# Altium PCB 23D_ESC_Controller.PcbDoc
Units mil, origin at the board's own origin, x right, y up, seen from the top; angles counter-clockwise.
Board outline 3775.02 x 2950.3 mil, 2 copper layers (Top Layer, Bottom Layer); 95 components, 115 nets, 462 pads, 196 vias.
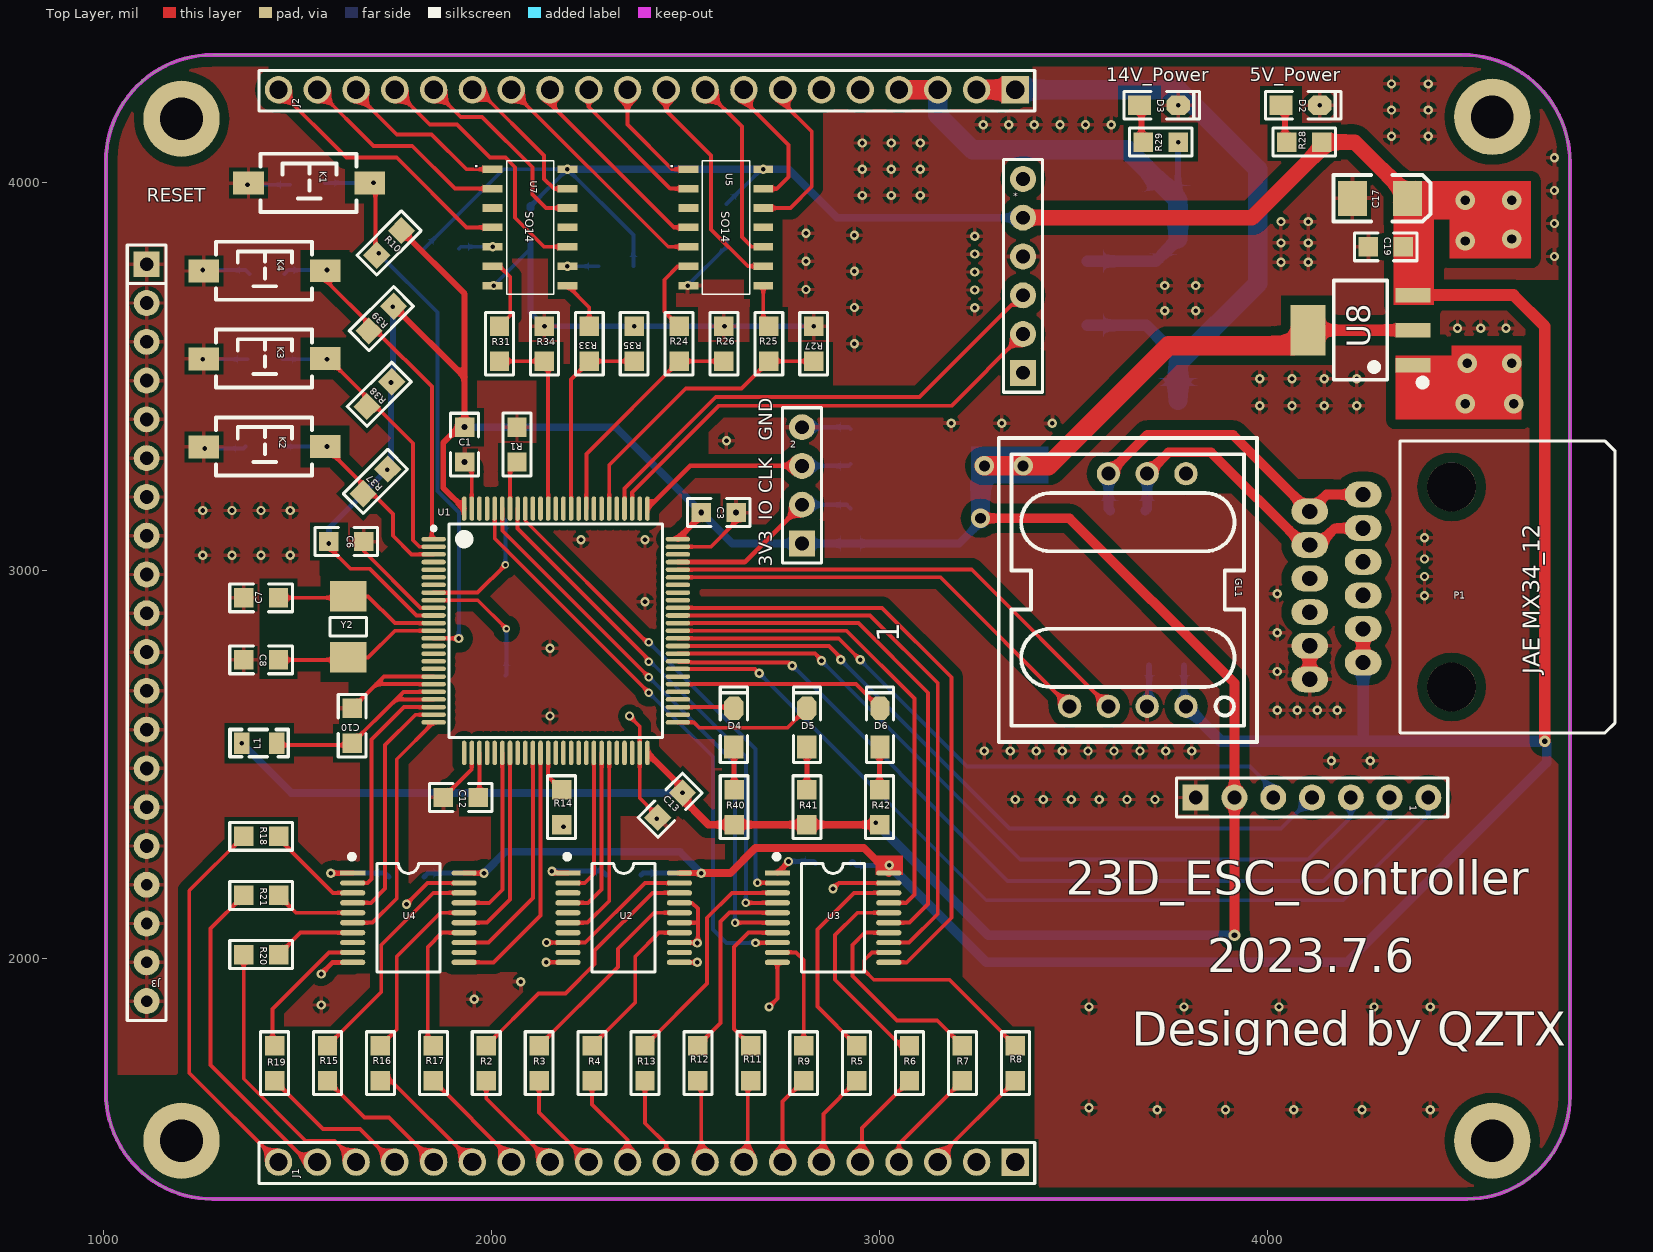
[diagram p0: Top Layer view]
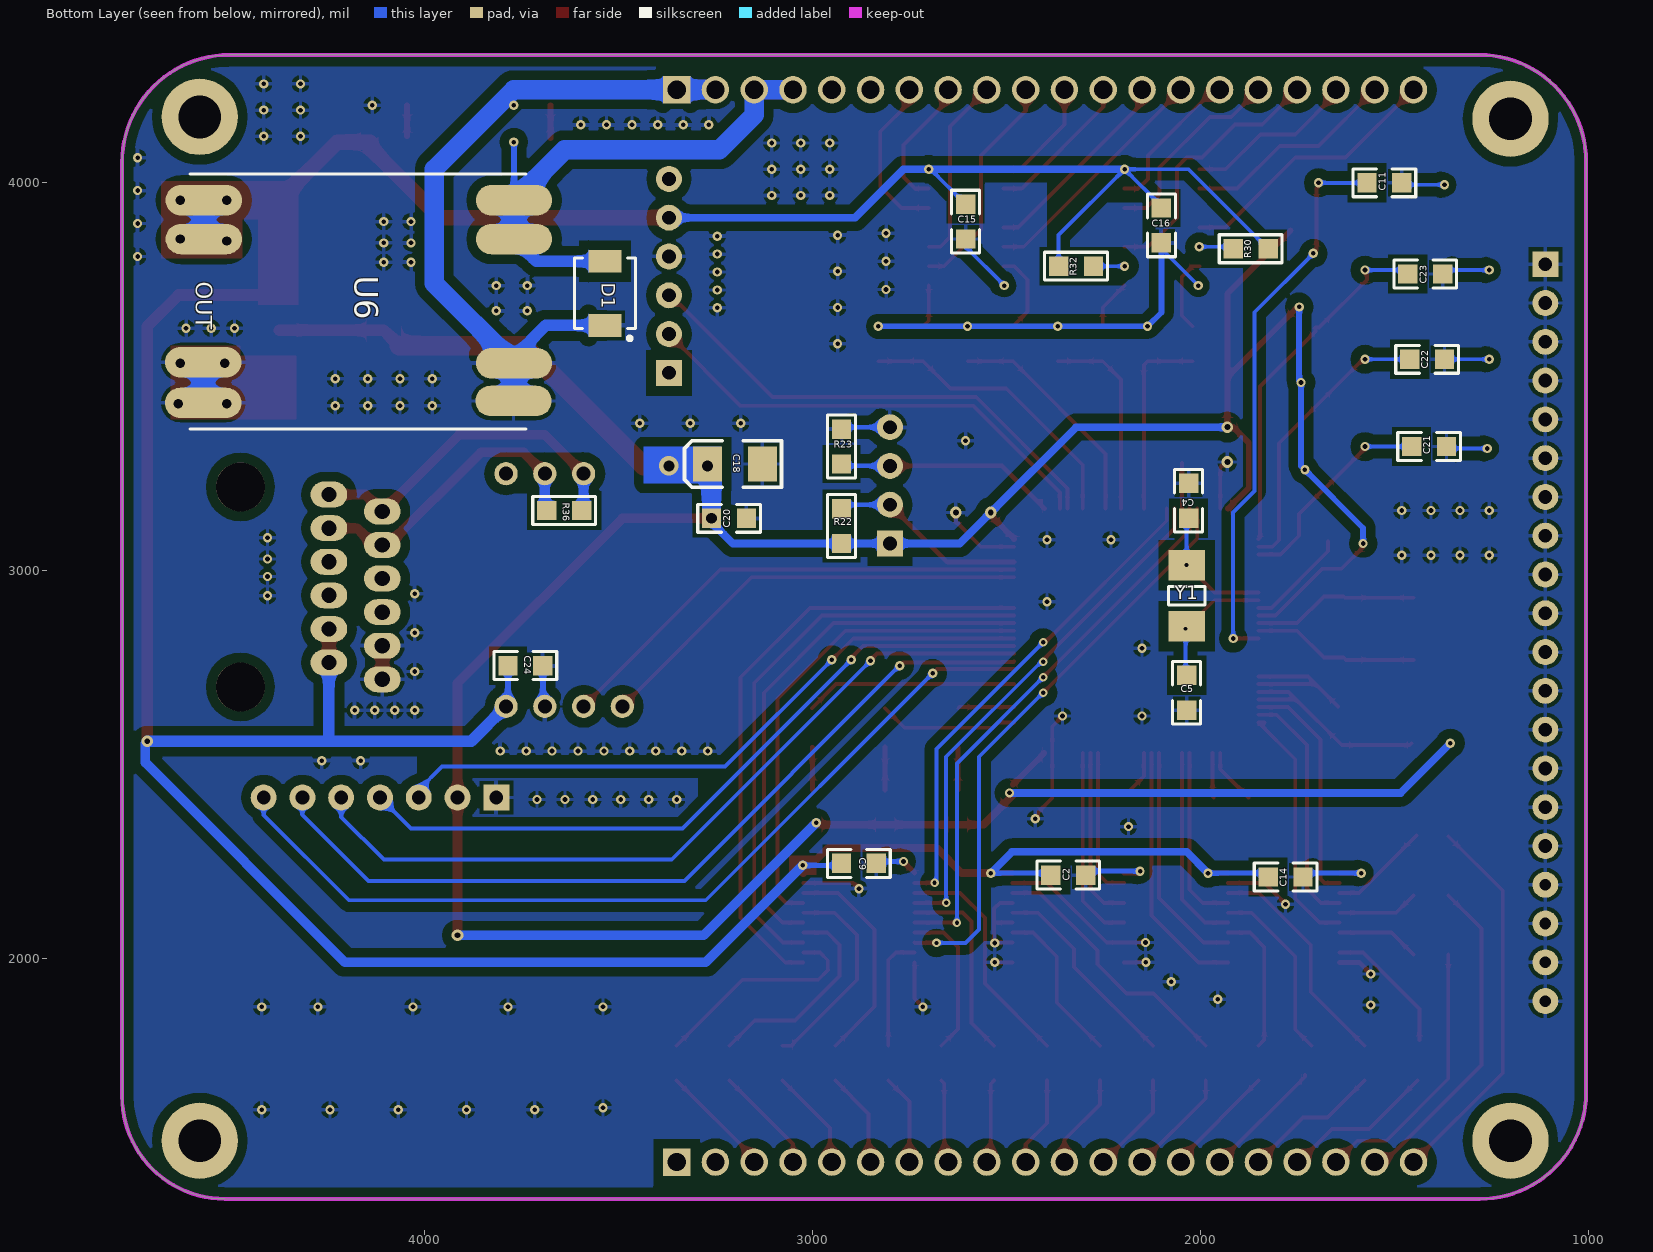
[diagram p1: Bottom Layer view, seen from below]

## Layer stack, top to bottom
Top Solder: solder mask 0.4, Solder Resist, Dk 3.5
Top Layer: signal copper 1.4
Dielectric 1: dielectric 12.6, FR-4, Dk 4.8
Bottom Layer: signal copper 1.4
Bottom Solder: solder mask 0.4, Solder Resist, Dk 3.5

## Board outline
1279.67,1379.7 cw(c1279.67,1654.65) 1005.45,1634.71 1005,1635 1005,4055 cw(c1280,4055) 1280,4330 4502.57,4330 cw(c4502.57,4052.59) 4779.98,4052.59 4780,4052.59 4780,1645.02 4780.02,1645.02 cw(c4515,1645.02) 4515,1380

## Design rules (kind name [scope] priority, off if disabled: settings)
Clearance Inpoly [InPoly] p1: gap=25
Clearance [All] p2: gap=7
HoleSize [All] p1: absolutevalues=TRUE maxlimit=200 minlimit=1 maxpercent=80.000 minpercent=20.000
MinimumSolderMaskSliver [All] p1: minsoldermaskwidth=5
PolygonConnect [All] p1: connectstyle=Relief reliefconductorwidth=10 reliefentries=4 polygonreliefangle="90 Angle" airgapwidth=10
RoutingVias [All] p1: holewidth=12 width=24 viastyle="Through Hole" minholewidth=10 minwidth=20 maxholewidth=28 maxwidth=50
SilkToSilkClearance [All] p1: silktosilkclearance=0
SilkToSolderMaskClearance [IsPad] p1: minsilkscreentomaskgap=2 clearancetoexposedcopper=TRUE
SolderMaskExpansion [All] p1: expansion=4
Width [All] p1: maxlimit=50 minlimit=10 preferedwidth=10
26 further rules are at their usual default settings.

## Components (designator, comment, footprint, x,y, rotation, side; value= is the part's Value field where it differs from the comment)
1 "OLED屏" HDR2.54-M-LI-7P 4115,2415 r0 top
2 "SWD" HDR2.54-LI-4P 2800,3220 r90 top
* "排母1*6" HDR2.54-M-LI-6P 3370,3760 r90 top
C1 "104" "C 0805" 1930,3325 r270 top
C2 "104" "C 0805" 2340,2215 r180 bottom
C3 "104" "C 0805" 2585,3150 r180 top
C4 "104" "C 0805" 2030,3180 r90 bottom
C5 "104" "C 0805" 2035,2685 r270 bottom
C6 "104" "C 0805" 1625,3075 r180 top
C7 "104" "C 0805" 1405,2930 r0 top
C8 "104" "C 0805" 1405,2770 r180 top
C9 "104" "C 0805" 2880,2245 r0 bottom
C10 "104" "C 0805" 1640,2600 r90 top
C11 "104" "C 0805" 1525,4000 r180 bottom
C12 "104" "C 0805" 1920,2415 r180 top
C13 "104" "C 0805" 2460,2395 r225 top
C14 "104" "C 0805" 1780,2210 r180 bottom
C15 "104" "C 0805" 2605,3900 r270 bottom
C16 "104" "C 0805" 2100,3890 r270 bottom
C17 "10uF" "CD B(3528)" 4290,3960 r180 top
C18 "10uF" "CD B(3528)" 3200,3275 r180 bottom
C19 "104" "C 0805" 4305,3835 r180 top
C20 "104" "C 0805" 3215,3135 r180 bottom
C21 "104" "C 0805" 1410,3320 r180 bottom
C22 "104" "C 0805" 1415,3545 r180 bottom
C23 "104" "C 0805" 1420,3765 r180 bottom
C24 "104" "C 0805" 3740,2755 r0 bottom
D1 "P6SMB18" DO-214AA 3535,3715 r270 bottom
D2 "ORANGE" LED_0805 4085,4200 r0 top
D3 "RED" LED_0805 3720,4200 r0 top
D4 "RED" LED_0805 2624,2595 r90 top
D5 "RED" LED_0805 2812.5,2595 r90 top
D6 "RED" LED_0805 3001,2595 r90 top
GL1 "CTM1051KT" COMM-TH_7P-L19.9-W17.5-P2.54 3640,2950 r90 top
J1 "2.54-1*20P直针" HDR-TH_20P-P2.54-V-M-1 2400,1475 r180 top
J2 "2.54-1*20P直针" HDR-TH_20P-P2.54-V-M-1 2400,4240 r180 top
J3 "2.54-1*20P直针" HDR2.54-LI-20P 1110,2840 r270 top
K1 "Key" "KEY 3.6*2.5 SMD" 1530,4000 r0 top
K2 "Key" "KEY 3.6*2.5 SMD" 1415,3320 r0 top
K3 "Key" "KEY 3.6*2.5 SMD" 1415,3546.67 r0 top
K4 "Key" "KEY 3.6*2.5 SMD" 1415,3773.33 r0 top
L1 "100uH" "L 0805" 1400.29,2555 r0 top
P1 "JAE_MX340_12" JAE_MX34_2.2_12 4246.65,2762.99 r180 top
R1 "10k" "R 0805" 2065,3325 r90 top
R2 "300R" "R 0805" 1985.71,1730 r270 top
R3 "300R" "R 0805" 2122.14,1730 r270 top
R4 "300R" "R 0805" 2258.57,1730 r270 top
R5 "300R" "R 0805" 2940.71,1730 r270 top
R6 "300R" "R 0805" 3077.14,1730 r270 top
R7 "300R" "R 0805" 3213.57,1730 r270 top
R8 "300R" "R 0805" 3350,1730 r270 top
R9 "300R" "R 0805" 2804.28,1730 r270 top
R10 "10k" "R 0805" 1735,3845 r225 top
R11 "300R" "R 0805" 2667.86,1730 r270 top
R12 "300R" "R 0805" 2531.43,1730 r270 top
R13 "300R" "R 0805" 2395,1730 r270 top
R14 "10k" "R 0805" 2180,2390 r270 top
R15 "300R" "R 0805" 1576.43,1730 r270 top
R16 "300R" "R 0805" 1712.86,1730 r270 top
R17 "300R" "R 0805" 1849.29,1730 r270 top
R18 "300R" "R 0805" 1405.29,2315 r180 top
R19 "300R" "R 0805" 1440,1730 r270 top
R20 "300R" "R 0805" 1405.29,2010 r180 top
R21 "300R" "R 0805" 1405.29,2162.5 r180 top
R22 "10k" "R 0805" 2925,3115 r270 bottom
R23 "10k" "R 0805" 2925,3320 r270 bottom
R24 "2K" "R 0805" 2482.86,3585 r270 top
R25 "2K" "R 0805" 2714.29,3585 r270 top
R26 "3K" "R 0805" 2598.57,3585 r270 top
R27 "3K" "R 0805" 2830,3585 r90 top
R28 "10k" "R 0805" 4095,4105 r0 top
R29 "10k" "R 0805" 3725,4105 r0 top
R30 "200R" "R 0805" 1870,3830 r180 bottom
R31 "2K" "R 0805" 2020,3585 r270 top
R32 "200R" "R 0805" 2320,3785 r180 bottom
R33 "2K" "R 0805" 2251.43,3585 r90 top
R34 "3K" "R 0805" 2135.71,3585 r270 top
R35 "3K" "R 0805" 2367.14,3585 r90 top
R36 "120R" "R 0805" 3640,3155 r0 bottom
R37 "10K" "R 0805" 1700,3230 r45 top
R38 "10K" "R 0805" 1710,3455 r45 top
R39 "10K" "R 0805" 1715,3650 r45 top
R40 "3.3K" "R 0805" 2625,2390 r270 top
R41 "3.3K" "R 0805" 2812.5,2390 r270 top
R42 "3.3K" "R 0805" 3000,2390 r270 top
U1 "STM32F103VET6" TQFP100N50P14X14X1.2 2165,2845 r0 top
U2 "74HC244" SSOP20 2340,2105 r0 top
U3 "74HC244" SSOP20 2880,2105 r0 top
U4 "74HC244" SSOP20 1785,2105 r0 top
U5 "HC7421D" 74hc74 2731.5,4057.24 r270 top
U6 "DM02-XX" DM02 4170,3695 r180 bottom
U7 "HC7421D" 74hc74 2226.5,4057.24 r270 top
U8 "AMS1117-XX" SOT223 4240,3620 r90 top
Y1 "32.768KHz" XTAL-5032 2035,2935 r90 bottom
Y2 "8MKz" XTAL-5032 1630,2855 r90 top

## Footprints (in the part's own frame and the unit in brackets; to place one, negate y for a bottom-side part, rotate by r counter-clockwise, add the part's x,y. Pads: shape width x height; smd on the part's side, far side on the other; paste and mask are expansions set on the pad)
74hc74 [mm]
  rect 0.5x1.3 smd: 1(0.565,-5.7) 2(1.835,-5.7) 3(3.105,-5.7) 4(4.375,-5.7) 5(5.645,-5.7) 6(6.915,-5.7) 7(8.185,-5.7) 8(8.185,-0.8) 9(6.915,-0.8) 10(5.645,-0.8) 11(4.375,-0.8) 12(3.105,-0.8) 13(1.835,-0.8) 14(0.565,-0.8)
  silkscreen extent 0,-4.78 8.75,-1.7
"C 0805" [mil]
  rect 50x50 smd: 1(-45,0) 2(45,0)
  silkscreen extent -81,-36 81,36, body extent -39,-24 39,24, height 20
"CD B(3528)" [mil]
  rect 75x90 smd: 1(-70.87,-0.01) 2(70.86,-0.01)
  silkscreen extent -130,-60 120,60, body extent -69,-55 69,55, height 75
COMM-TH_7P-L19.9-W17.5-P2.54 [mil]
  round 60 hole 36 mask+2: 1(-300,-150) 2(-300,-50) 3(-300,50) 4(-300,150) 6(300,50) 7(300,-50) 8(300,-150)
  silkscreen extent -392,-333 392,333, body extent -392,-344 392,344, height 341
DM02 [mm]
  oval 5x2 smd: 1(-10.143,6.604) 2(-10.143,4.064) 3(-10.177,-4) 4(-10.177,-6.667) 5(10.143,-6.541) 6(10.177,-4.064) 7(10.177,4.064) 8(10.177,6.604)
  silkscreen extent -11.03,-8.38 10.97,8.32
DO-214AA [mm]
  rect 1.5x2.15 smd: 1(-2.1,0) 2(2.1,0)
  silkscreen extent -2.3,-2 3.07,2, body extent -2.29,-1.97 2.28,1.97, height 2.44
HDR2.54-LI-4P [mm] "排针，4脚"
  rect 1.7x1.7 hole 0.9: 1(-3.81,0)
  round 1.7 hole 0.9: 2(-1.27,0) 3(1.27,0) 4(3.81,0)
  silkscreen extent -5.08,-1.27 5.08,1.27, body extent -5.08,-1.27 5.08,1.27, height 8.5
HDR2.54-LI-20P [mm] "排针，20脚"
  rect 1.7x1.7 hole 0.9: 1(-24.13,0)
  round 1.7 hole 0.9: 2(-21.59,0) 3(-19.05,0) 4(-16.51,0) 5(-13.97,0) 6(-11.43,0) 7(-8.89,0) 8(-6.35,0) 9(-3.81,0) 10(-1.27,0) 11(1.27,0) 12(3.81,0) 13(6.35,0) 14(8.89,0) 15(11.43,0) 16(13.97,0)
  round 1.7 hole 0.762: 17(16.51,0) 18(19.05,0) 19(21.59,0) 20(24.13,0)
  silkscreen extent -25.4,-1.27 25.4,1.27, body extent -25.4,-1.27 25.4,1.27, height 8.5
HDR2.54-M-LI-6P [mm] "排母，6脚"
  rect 1.7x1.7 hole 0.9: 1(-6.35,0)
  round 1.7 hole 0.9: 2(-3.81,0) 3(-1.27,0) 4(1.27,0) 5(3.81,0) 6(6.35,0)
  silkscreen extent -7.62,-1.27 7.62,1.27, body extent -7.62,-1.27 7.62,1.27, height 8.5
HDR2.54-M-LI-7P [mm] "排母，7脚"
  rect 1.7x1.7 hole 0.9: 1(-7.62,0)
  round 1.7 hole 0.9: 2(-5.08,0) 3(-2.54,0) 4(0,0) 5(2.54,0) 6(5.08,0) 7(7.62,0)
  silkscreen extent -8.89,-1.27 8.89,1.27, body extent -8.89,-1.27 8.89,1.27, height 8.5
HDR-TH_20P-P2.54-V-M-1 [mm]
  rect 1.8x1.8 hole 1.2 mask+0.051: 1(-24.13,0)
  round 1.8 hole 1.2 mask+0.051: 2(-21.59,0) 3(-19.05,0) 4(-16.51,0) 5(-13.97,0) 6(-11.43,0) 7(-8.89,0) 8(-6.35,0) 9(-3.81,0) 10(-1.27,0) 11(1.27,0) 12(3.81,0) 13(6.35,0) 14(8.89,0) 15(11.43,0) 16(13.97,0) 17(16.51,0) 18(19.05,0) 19(21.59,0) 20(24.13,0)
  silkscreen extent -25.4,-1.27 25.4,1.4
JAE_MX34_2.2_12 [mm]
  oval 2.4x1.7 hole 1: 1(3.5,-9.9) 2(3.5,-7.7) 3(3.5,-5.5) 4(3.5,-3.3) 5(3.5,-1.1) 6(3.5,1.1) 6(3.5,1.1) 7(0,-11) 8(0,-8.8) 9(0,-6.6) 10(0,-4.4) 11(0,-2.2) 12(0,0) 12(0,0)
  round 3.2 hole 3.2 unplated: 13(-5.8,1.6) 14(-5.8,-11.5)
  silkscreen extent -16.51,-14.5 -2.41,4.6
"KEY 3.6*2.5 SMD" [mm]
  rect 2x1.5 smd: 1(-3.996,-0.02) 2(3.937,0)
  silkscreen extent -3.21,-1.9 3.09,1.9, body extent -4,-1.88 4,1.62, height 2.59
"L 0805" [mil]
  rect 40x55 smd: 1(-45,0) 2(45,0)
  silkscreen extent -75,-35 75,35, body extent -39,-24 39,24, height 35
LED_0805 [mil]
  rect 60x50 smd: 1(-50,0)
  oct 60x50 smd: 2(50,0)
  silkscreen extent -90,-35 105,35, body extent -39,-25 39,25, height 32
"R 0805" [mil]
  rect 50x50 smd: 1(-45,0) 2(45,0)
  silkscreen extent -81,-36 81,36, body extent -39,-25 39,25, height 20
SOT223 [mm]
  rect 0.95x2.3 smd: 1(-2.3,-3.429) 2(0,-3.429) 3(2.3,-3.429)
  rect 3.3x2.3 smd: 2(0,3.429)
  silkscreen extent -3.63,-4.26 3.25,1.75, body extent -3.25,-3.51 3.25,3.51, height 1.65
SSOP20 [mm]
  rect 1.65x0.35 smd: 1(-3.65,2.925)
  oval 1.65x0.35 smd: 2(-3.65,2.275) 3(-3.65,1.625) 4(-3.65,0.975) 5(-3.65,0.325) 6(-3.65,-0.325) 7(-3.65,-0.975) 8(-3.65,-1.625) 9(-3.65,-2.275) 10(-3.65,-2.925) 11(3.65,-2.925) 12(3.65,-2.275) 13(3.65,-1.625) 14(3.65,-0.975) 15(3.65,-0.325) 16(3.65,0.325) 17(3.65,0.975) 18(3.65,1.625) 19(3.65,2.275) 20(3.65,2.925)
  silkscreen extent -3.83,-3.56 2.07,4.13, body extent -3.85,-3.6 3.85,3.6, height 1.65
TQFP100N50P14X14X1.2 [mm]
  oval 1.6x0.3 smd: 1(-8,6) 2(-8,5.5) 3(-8,5) 4(-8,4.5) 5(-8,4) 6(-8,3.5) 7(-8,3) 8(-8,2.5) 9(-8,2) 10(-8,1.5) 11(-8,1) 12(-8,0.5) 13(-8,0) 14(-8,-0.5) 15(-8,-1) 16(-8,-1.5) 17(-8,-2) 18(-8,-2.5) 19(-8,-3) 20(-8,-3.5) 21(-8,-4) 22(-8,-4.5) 23(-8,-5) 24(-8,-5.5) 25(-8,-6) 51(8,-6) 52(8,-5.5) 53(8,-5) 54(8,-4.5) 55(8,-4) 56(8,-3.5) 57(8,-3) 58(8,-2.5) 59(8,-2) 60(8,-1.5) 61(8,-1) 62(8,-0.5) 63(8,0) 64(8,0.5) 65(8,1) 66(8,1.5) 67(8,2) 68(8,2.5) 69(8,3) 70(8,3.5) 71(8,4) 72(8,4.5) 73(8,5) 74(8,5.5) 75(8,6)
  oval 0.3x1.6 smd: 26(-6,-8) 27(-5.5,-8) 28(-5,-8) 29(-4.5,-8) 30(-4,-8) 31(-3.5,-8) 32(-3,-8) 33(-2.5,-8) 34(-2,-8) 35(-1.5,-8) 36(-1,-8) 37(-0.5,-8) 38(0,-8) 39(0.5,-8) 40(1,-8) 41(1.5,-8) 42(2,-8) 43(2.5,-8) 44(3,-8) 45(3.5,-8) 46(4,-8) 47(4.5,-8) 48(5,-8) 49(5.5,-8) 50(6,-8) 76(6,8) 77(5.5,8) 78(5,8) 79(4.5,8) 80(4,8) 81(3.5,8) 82(3,8) 83(2.5,8) 84(2,8) 85(1.5,8) 86(1,8) 87(0.5,8) 88(0,8) 89(-0.5,8) 90(-1,8) 91(-1.5,8) 92(-2,8) 93(-2.5,8) 94(-3,8) 95(-3.5,8) 96(-4,8) 97(-4.5,8) 98(-5,8) 99(-5.5,8) 100(-6,8)
  silkscreen extent -8.12,-7 7,7, body extent -7,-7 7,7, height 1.2
XTAL-5032 [mm]
  rect 2x2.4 smd: 1(-2,0) 2(2,0)
  silkscreen extent -0.6,-1.2 0.6,1.2, body extent -2.6,-1.7 2.6,1.7, height 3.4

## Part data
2: library part 排针1*4
C1 C2 C3 C4 C5 C6 C7 C8 C9 C10 C11 C12 C13 C14 C15 C16 C19 C20 C21 C22 C23 C24: library part Cap, "无极性电容"
C17 C18: library part 贴片钽电容
D1: library part P6SMBXX, "BiDir TVS Diode"
D2 D3 D4 D5 D6: library part LED, "发光二极管"
GL1: library part CTM1051KT_C84516, "兼容3.3V和5V的单片机CAN接口，CAN隔离收发器 5V供电"
J1 J2 J3: "排数:单排;总PIN位数:20;间距:2.54mm;插针结构:1x20P;行距:-;安装类型:直插;圆针/方针:方针;额定电流:3A;额定电压:-;配合针长度:-;塑高:-;端接针长度:-;触头材质:黄铜;触头镀层:-;工作温度范围:-40℃~+105℃;颜色:黑色;"
K1 K2 K3 K4: "按键"
L1: library part Inductor, "电感"
P1: library part JAE_MX34012NF1
R1 R2 R3 R4 R5 R6 R7 R8 R9 R10 R11 R12 R13 R14 R15 R16 R17 R18 R19 R20 R21 R22 R23 R24 R25 R26 R27 R28 R29 R30 R31 R32 R33 R34 R35 R36 R37 R38 R39 R40 R41 R42: library part Resistor, "电阻"
U1: library part STM32F103RBT6
U2 U3 U4: "CMOS工艺8通道缓冲器"
U6: library part DM02, "开关型DC-DC变换器"
U8: library part AMS1117, "线性稳压器"
Y1 Y2: library part XTAL, "晶振"

## Free pads (board coordinates)
  round 196.85 hole 110.24: 5(1200,1530) 5(1200,4165) 5(4580,1530) 5(4580,4170)

## Via types
v1: diameter 24, hole 12, Top Layer to Bottom Layer, 169 vias
v2: diameter 50, hole 24, Top Layer to Bottom Layer, 8 vias
v3: diameter 22, hole 11, Top Layer to Bottom Layer, 8 vias
v4: diameter 30, hole 15, Top Layer to Bottom Layer, 6 vias
v5: diameter 50, hole 28, Top Layer to Bottom Layer, 3 vias
v6: diameter 20, hole 10, Top Layer to Bottom Layer, 2 vias

## Nets (pads, with @x,y where several pads share a name; then routed paths per layer and width w, separated by ;. In a path a pad name is that pad's centre, name@x,y a point inside that pad or via, vN(x,y) a via of type N, cw(c..) or ccw(c..) an arc to the next point about the centre after c; other vN are vias at no path point)
ANL_REF: C10.1 L1.2 U1.21 U1.22 | length 551.3
  Top Layer w10: L1.2@1455,2555 1460,2550 1635,2550 C10.1 1752.83,2667.83 ; U1.22 1752.83,2667.83 ; U1.21 1772.52,2687.52 1752.83,2667.83
CAN_H: GL1.6 P1.1 P1.7 R36.1 | length 894.8
  Top Layer w25: GL1.6 3690,3350 3911.61,3350 P1.1 4152.17,3196.06 P1.7
  Bottom Layer w25: GL1.6 3590,3160 R36.1
CAN_IN_L: GL1.7 P1.2 P1.8 R36.2 | length 793.4
  Top Layer w15: P1.2@4093.86,3066.14 P1.2 P1.2@4131.14,3066.14
  Top Layer w25: GL1.7 3745,3305 3855,3305 P1.2@4093.86,3066.14 ; P1.2@4131.14,3066.14 4174.45,3109.45 P1.8
  Bottom Layer w25: R36.2 3690,3160 GL1.7
CAN_RX: GL1.4 U1.70 | length 1147.9
  Top Layer w10: U1.70 3157.2,2982.8 GL1.4
CAN_TX: GL1.3 U1.71 | length 1256
  Top Layer w10: U1.71 3237.52,3002.48 GL1.3
CS: 1.7 U1.58 | length 2318.3
  Top Layer w10: U1.58 2678.43,2746.57 v1(2690,2735)
  Bottom Layer w10: v1(2690,2735) 3275,2150 4195,2150 4415,2370 1.7
D0: 1.3 U1.62 | length 1726.7
  Top Layer w10: U1.62 2894.68,2825.32 v1(2950,2770)
  Bottom Layer w10: v1(2950,2770) 3225,2495 3955,2495 4015,2435 1.3 1.3@4015,2405
D1: 1.4 U1.61 | length 1866
  Top Layer w10: U1.61 2869.37,2805.63 2900,2775 v1(2900,2770)
  Bottom Layer w10: v1(2900,2770) 3335,2335 4035,2335 1.4
DC: 1.6 U1.59 | length 2185
  Top Layer w10: U1.59 2481.74,2764.48 2512.97,2764.48 2513.87,2763.57 2766.43,2763.57 v1(2775,2755)
  Bottom Layer w10: v1(2775,2755) 3330,2200 4145,2200 4315,2370 1.6
DR1_STA: R24.2 R26.2 U1.84 | length 594.8
  Top Layer w10: U1.84 2243.74,3300.88 R24.2 R26.2
DR2_STA: R25.2 R27.1 U1.81 | length 750.7
  Top Layer w10: U1.81 2302.8,3272.8 2500,3470 2644.29,3470 R25.2 R27.1
DR3_STA: R31.2 R34.2 U1.89 | length 499.7
  Top Layer w10: R31.2 R34.2 2145.32,3530.4 U1.89
DR4_STA: R33.1 R35.1 U1.86 | length 515.2
  Top Layer w10: U1.86 2204.37,3492.94 R33.1 R35.1
GND_D: 1.1 2.4 *.4 C1.2 C2.2 C3.1 C4.2 C5.2 C6.1 C7.1 C8.2 C9.1 C10.2 C11.2 C12.2 C13.2 C14.2 C15.2 C16.2 C17.2 C18.2 C19.2 C20.2 C21.2 C22.2 C23.2 C24.1 D1.2 D2.2 D3.2 GL1.2 J2.1 J2.2 J3.1 J3.2 J3.3 J3.4 J3.5 J3.6 J3.7 J3.8 J3.9 J3.10 J3.11 J3.12 J3.13 J3.14 J3.15 J3.16 J3.17 J3.18 J3.19 J3.20 K1.1 K2.1 K3.1 K4.1 P1.5 P1.6 R1.2 R14.2 R23.1 R26.1 R27.2 R34.1 R35.2 U1.10 U1.19 U1.20 U1.27 U1.49 U1.74 U1.99 U2.1 U2.8 U2.10 U2.11 U2.13 U2.15 U2.17 U2.19 U3.1 U3.10 U3.19 U4.1 U4.10 U4.19 U5.7 U6.3 U6.4 U6.5 U6.6 U7.7 U8.1 | length 7196.3
  Top Layer w10: v1(1585,2220) v1@1585.16,2220.16 ; C10.2@1645,2650 1702.2,2707.2 ; C6.1 1670,3050 1815.94,2904.06 U1.10 ; v1(1780,2140) 1834.57,2194.57 U4.19 ; U1.20 1702.2,2707.2 ; U1.19 1721.89,2726.89 1702.2,2707.2 ; C12.2 1948.46,2488.46 U1.27 ; C1.2@1935,3280 1948.46,3266.54 U1.99 ; v1(2140,1990) 2196.15,1990 U2.10 ; v1(2141.03,2041.03) U2.8 2241.03,2041.03 2394.57,2194.57 U2.19 ; v1(2355,2625) 2381.54,2598.46 U1.49 2381.54,2413.46 2418.18,2376.82 C13.2@2418.18,2358.18 ; U1.74 2565,3061.54 2630,3126.54 v4(2630,3150) ; U2.11 2529.85,1989.85 v1(2530,1990) ; U2.13 2528.97,2041.03 v1(2530,2040) 2531.61,2041.61 2531.61,2090 ; U2.15 2529.4,2092.21 2531.61,2090 ; U2.17 2516.61,2143.39 2531.61,2128.39 2531.61,2090 ; v1(2715,1875) 2736.3,1896.3 U3.10 ; v1(2880,2180) 2894.57,2194.57 U3.19
  Top Layer w13: v1(1560,1960) 1589.85,1989.85 U4.10 ; v1@1585.16,2220.16 U4.1 ; v1(2155,2225.16) 2155,2220.32 2155.16,2220.16 U2.1 ; U3.1 2765,2248.86 v1(2765,2250)
  Top Layer w30: P1.6@4108.86,2719.68 P1.5
  Top Layer w50: J2.2 J2.1
  Bottom Layer w10: v1(1255,3545) C22.2 ; v1(1255,3775) 1365,3775 C23.2 ; v1(1260,3315) 1360,3315 C21.2 ; v1(1370,3995) C11.2@1480,3995 ; v1(2005,3735) C16.2@2100,3830 ; v1(2505,3735) 2605,3835 C15.2 ; R23.1@2920,3370 R23.1
  Bottom Layer w12: 2.4 R23.1@2920,3370
  Bottom Layer w13: v1(1585,2220) 1725,2220 C14.2 ; v1(2155,2225.16) 2275.16,2225.16 2280,2230 C2.2 ; v1(2765,2250) 2830,2250 C9.1
  Bottom Layer w15: C16.2 2100,3830 2100,3665.71 v1(2135.71,3630) v1(2367.14,3630) v1(2600,3630) v1(2830,3630) ; GL1.2@3695,2650 C24.1
  Bottom Layer w30: D1.2 3687.68,3632.32 3769.31,3550.69 U6.6 ; U6.5@3769.31,3438.87 U6.5
  Bottom Layer w50: J2.2 J2.1 3770,4240 3975,4035 3975,3740.69 U6.6 U6.5@3769.31,3438.87 ; U6.4 U6.3
  other v1: 3716,1610 3892,1610 4068,1610 4244,1610 4420,1610 3540,1615 3540,1875 3785,1875 4030,1875 4275,1875 4420,1875 1560,1880 1955,1895 2075,1940 2185,2340 2425,2360 3350,2410 3422,2410 3494,2410 3566,2410 3638,2410 3710,2410 4165,2510 4265,2510 3270,2535 3336.88,2535 3403.75,2535 3470.62,2535 3537.5,2535 3604.38,2535 3671.25,2535 3738.12,2535 3805,2535 2150,2625 4025,2640 4076.67,2640 4128.33,2640 4180,2640 4025,2740 2150,2800 4025,2840 2395,2920 4405,2935 4025,2940 4405,2985 4405,3030 1255,3040 1330,3040 1405,3040 1480,3040 2230,3080 2395,3080 4405,3085 1255,3155 1330,3155 1405,3155 1480,3155 2605,3335 3185,3380 3315,3380 3445,3380 3980,3425 4063.33,3425 4146.67,3425 4230,3425 3980,3495 4063.33,3495 4146.67,3495 4230,3495 2935,3585 4490,3625 4550,3625 4615,3625 3735,3670 3815,3670 2935,3678.33 3245,3677.5 3245,3723.75 2810,3725 3735,3735 3815,3735 3245,3770 2935,3771.67 4035,3795 4105,3795 2810,3797.5 4740,3810 3245,3816.25 4035,3845 4105,3845 3245,3862.5 2935,3865 2810,3870 4740,3895 4035,3900 4105,3900 2955,3967.5 3030,3967.5 3105,3967.5 4740,3980 2955,4035 3030,4035 3105,4035 4740,4065 2955,4102.5 3030,4102.5 3105,4102.5 4320,4120 4415,4120 3267,4150 3333,4150 3399,4150 3465,4150 3531,4150 3597,4150 4320,4187.5 4415,4187.5 3770,4200 4135,4200 4320,4255 4415,4255
  other v2: 4510,3430 4635,3430 4515,3535 4630,3535
  other v4: 1930,3280
KEY1: C21.1 K2.2 R37.1 U1.3 | length 548.3
  Top Layer w10: K2.2 1681.82,3208.18 1683.18,3208.18 1745,3146.36 1745,3090 1793.15,3041.85 U1.3
  Bottom Layer w10: C21.1 v1(1575,3320)
KEY2: C22.1 K3.2 R38.1 U1.2 | length 742.4
  Top Layer w10: K3.2 1578.33,3546.67 1796.54,3328.46 1796.54,3078.46 1813.46,3061.54 U1.2
  Bottom Layer w10: C22.1 v1(1575,3545)
KEY3: C23.1 K4.2 R39.1 U1.1 | length 930.7
  Top Layer w10: K4.2 1570,3750 1693.18,3626.82 R39.1@1703.18,3626.82 ; R39.1@1705,3625 R39.1@1703.18,3626.82 ; U1.1 1845.5,3085.76 1845.5,3474.5 1703.18,3616.82 R39.1@1703.18,3626.82
  Bottom Layer w10: C23.1 1475,3775 v1(1575,3775)
L9349_EN: U1.44 U2.4 | length 453.1
  Top Layer w10: U2.4 2248.39,2143.39 2283.11,2178.11 U1.44
L9349_ENABLE: J1.12 R3.2 | length 263
  Top Layer w10: R3.2 2122.14,1602.86 J1.12
LBI: J1.10 R13.2 | length 232.8
  Top Layer w10: R13.2 2395,1575 2450,1520 J1.10
LBI_PWM: U1.63 U3.17 | length 1262.8
  Top Layer w10: U1.63 2915,2845 3090,2670 3090,2165 3068.39,2143.39 U3.17
LBI_STA: J2.13 U5.4 | length 524.6
  Top Layer w10: J2.13 2150,4205 2470,3885 U5.4
LBO: J1.9 R12.2 | length 217.7
  Top Layer w10: R12.2 2540,1676.43 2540,1485 J1.9
LBO_PWM: U1.64 U3.15 | length 1385.6
  Top Layer w10: U1.64 2945.32,2864.68 3125,2685 3125,2140 3077.21,2092.21 U3.15
LBO_STA: J2.14 U5.5 | length 624.8
  Top Layer w10: J2.14 2455,3835 U5.5
LED1: D4.2 U1.53 | length 145.3
  Top Layer w10: U1.53 2620.85,2648.15 D4.2
LED2: D5.2 U1.51 | length 359
  Top Layer w10: U1.51 2521.22,2608.78 2535,2595 2762.5,2595 D5.2
LED3: D6.2 U1.56 | length 546.8
  Top Layer w10: U1.56 2938.8,2707.2 D6.2
LFI: J1.16 R15.2 | length 360.6
  Top Layer w10: R15.2 1671.43,1590 1735,1590 J1.16
LFI_PWM: U1.23 U4.2 | length 607.5
  Top Layer w10: U4.2 1679.57,2194.57 1690,2205 1690,2565 1773.15,2648.15 U1.23
LFI_STA: J2.11 U5.1 | length 294.7
  Top Layer w10: J2.11 2350,4150 2465,4035 U5.1
LFO: J1.15 R16.2 | length 316.1
  Top Layer w10: R16.2@1730,1700 1730,1695 J1.15
LFO_PWM: U1.24 U4.4 | length 626.4
  Top Layer w10: U4.4 1688.39,2143.39 1725,2180 1725,2550 1803.46,2628.46 U1.24
LFO_STA: J2.12 U5.2 | length 389.1
  Top Layer w10: J2.12 2250,4195 2460,3985 U5.2
LSTB1: J1.5 R6.2 | length 262.7
  Top Layer w10: J1.5 2955,1480 2955,1562.86 R6.2
LSTB1_PWM: U1.93 U3.4 | length 1344.5
  Top Layer w10: U1.93 2066.57,3108.43 2405,2770 v3(2405,2765) ; v3(2655,2143.39) U3.4
  Bottom Layer w10: v3(2405,2765) 2410,2765 2655,2520 v3(2655,2143.39)
LSTB1_STA: J2.16 U7.12 | length 512.3
  Top Layer w10: J2.16 1920,4170 1975,4170 2105,4040 2105,3970 2140,3935 U7.12
LSTB2: J1.3 R8.2 | length 292.8
  Top Layer w10: J1.3 3150,1485 R8.2
LSTB2_PWM: U1.96 U3.8 | length 1499.2
  Top Layer w10: U1.96 2007.52,3082.48 v3(2405,2685) ; v3(2680,2040) 2735.28,2040 U3.8
  Bottom Layer w10: v3(2405,2685) 2570,2520 2570,2075 2605,2040 v3(2680,2040)
LSTB2_STA: J2.17 U7.10 | length 688.9
  Top Layer w10: J2.17 1840,4150 1910,4150 1995,4065 2035,4065 2060,4040 2060,3910 2135,3835 U7.10
LTC: J1.6 R5.2 | length 247.6
  Top Layer w10: J1.6 2855,1480 2855,1599.29 R5.2
LTC_PWM: U1.92 U3.2 | length 1262.8
  Top Layer w10: U1.92 2086.26,3128.73 2399.99,2815 v3(2405,2815) ; v3(2685,2195) 2735.87,2195 U3.2
  Bottom Layer w10: v3(2405,2815) 2680,2540 v3@2680,2197.5
LTC_STA: J2.15 U7.13 | length 385.8
  Top Layer w10: J2.15 1965,4240 2135,4070 2135,4010 2160,3985 U7.13
NetC4_1: C4.1 U1.8 Y1.2 | length 336.7
  Top Layer w10: U1.8 1963.43,2943.43 v6(2035,3015)
  Bottom Layer w10: C4.1 2035,3130 v6(2035,3015)
NetC5_1: C5.1 U1.9 Y1.1 | length 339
  Top Layer w10: U1.9 1963.74,2923.74 v6(2037.48,2850)
  Bottom Layer w10: C5.1 2037.48,2732.48 v6(2037.48,2850)
NetC7_2: C7.2 U1.12 Y2.2 | length 430.2
  Top Layer w10: C7.2 1626.26,2930 Y2.2 1680.94,2933.74 1750,2864.68 U1.12
NetC8_1: C8.1 U1.13 Y2.1 | length 431.1
  Top Layer w10: C8.1 1623.74,2770 Y2.1 1681.26,2776.26 1750,2845 U1.13
NetC12_1: C12.1 U1.28 | length 116.3
  Top Layer w10: C12.1 1968.15,2418.15 U1.28
NetD2_1: D2.1 R28.1 | length 80
  Top Layer w15: R28.1@4045,4120 D2.1@4045,4200
NetD3_1: D3.1 R29.1 | length 85
  Top Layer w15: R29.1@3675,4115 D3.1@3675,4200
NetD4_1: D4.1 R40.1 | length 110.4
  Top Layer w10: D4.1 D4.1@2625,2544
  Top Layer w13: R40.1 D4.1@2625,2544
NetD5_1: D5.1 R41.1 | length 110
  Top Layer w13: R41.1 D5.1
NetD6_1: D6.1 R42.1 | length 110.4
  Top Layer w10: D6.1@3000,2544 D6.1
  Top Layer w13: R42.1 D6.1@3000,2544
NetR1_1: R1.1 U1.94 | length 118.1
  Top Layer w10: U1.94 R1.1@2046.89,3278.11
NetR2_1: R2.1 U2.18 | length 681.7
  Top Layer w10: R2.1 2120.71,1910 2190,1910 2265,1985 2265,2020 2413.98,2168.98 U2.18
NetR3_1: R3.1 U2.16 | length 531.2
  Top Layer w10: R3.1 2325,1977.86 2325,2025 2417.8,2117.8 U2.16
NetR4_1: R4.1 U2.14 | length 415.4
  Top Layer w10: R4.1 2370,1886.43 2370,2005 2431.62,2066.62 U2.14
NetR5_1: R5.1 U3.18 | length 564.3
  Top Layer w10: R5.1 2840,1875.71 2840,2075 2933.98,2168.98 U3.18
NetR6_1: R6.1 U3.16 | length 540.2
  Top Layer w10: U3.16 2942.8,2117.8 2885,2060 2885,1945 3055,1775 R6.1
NetR7_1: R7.1 U3.14 | length 544.9
  Top Layer w10: U3.14 2961.62,2066.62 2930,2035 2930,1955 3045,1840 3148.57,1840 R7.1
NetR8_1: R8.1 U3.12 | length 568.2
  Top Layer w10: U3.12 2980.44,2015.44 2960.44,1995.44 2960.44,1970 2960,1970 2985,1945 3180,1945 R8.1
NetR9_1: R9.1 U3.9 | length 296.9
  Top Layer w10: U3.9 2784.56,2015.44 2804.28,1995.71 R9.1
NetR11_1: R11.1 U3.7 | length 399.2
  Top Layer w10: R11.1 2625,1817.86 2625,2030 2661.62,2066.62 U3.7
NetR12_1: R12.1 U3.5 | length 500.2
  Top Layer w10: R12.1 2590,1833.57 2590,2095 2613,2118 2736.1,2118 U3.5
NetR13_1: R13.1 U3.3 | length 604.1
  Top Layer w10: R13.1 2555,1935 2555,2105 2618.98,2168.98 U3.3
NetR14_1: R14.1 U1.37 | length 109.4
  Top Layer w10: U1.37 2145.32,2469.68 R14.1
NetR15_1: R15.1 U4.18 | length 586.6
  Top Layer w10: R15.1 1715,1913.57 1715,2035 1848.98,2168.98 U4.18
NetR16_1: R16.1 U4.16 | length 467.9
  Top Layer w10: R16.1 1755,1817.14 1755,2005 1867.8,2117.8 U4.16
NetR17_1: R17.1 U4.14 | length 369.8
  Top Layer w10: R17.1 1835,1789.29 1835,2030 1871.62,2066.62 U4.14
NetR18_1: R18.1 U4.3 | length 260.3
  Top Layer w10: R18.1@1442.5,2317.5 1591.02,2168.98 U4.3
NetR19_1: R19.1 U4.9 | length 346.5
  Top Layer w10: R19.1@1435,1790 1435,1870 1580.44,2015.44 U4.9
NetR20_1: R20.1 U4.7 | length 214.5
  Top Layer w10: R20.1 1506.91,2066.62 U4.7
NetR21_1: R21.1 U4.5 | length 209.5
  Top Layer w10: R21.1 1494.99,2117.8 U4.5
NetR24_1: R24.1 U5.6 | length 212.3
  Top Layer w10: R24.1 2445,3667.86 2445,3750 2480,3785 U5.6
NetR25_1: R25.1 U5.8 | length 110.9
  Top Layer w10: U5.8 2700,3644.29 R25.1
NetR30_1: R30.1 U7.5 | length 89.2
  Bottom Layer w10: R30.1 1920,3835 v1(2002.09,3835)
NetR31_1: R31.1 U7.6 | length 195.7
  Top Layer w10: U7.6 2020,3785 2047.5,3757.5 2047.5,3657.5 R31.1
NetR32_2: R32.2 U7.9 | length 80
  Bottom Layer w10: v1(2195,3785) R32.2
NetR33_2: R33.2 U7.8 | length 128.4
  Top Layer w10: U7.8 2251.43,3678.57 R33.2
PUMP: J1.4 R7.2 | length 277.8
  Top Layer w10: J1.4 3050,1521.43 R7.2
PUMP_EN: U1.45 U2.6 | length 511.8
  Top Layer w10: U2.6 2247.21,2092.21 2302.8,2147.8 U1.45
PUMP_ENABLE: J1.11 R4.2 | length 247.9
  Top Layer w10: R4.2 2258.57,1623.86 2350,1532.43 J1.11
PUMP_PWM: U1.95 U3.6 | length 1425.4
  Top Layer w10: U1.95 2027.2,3102.8 v3(2405,2725) ; v3(2627.21,2092.21) U3.6
  Bottom Layer w10: v3(2405,2725) 2627.21,2502.79 v3(2627.21,2092.21)
RBI: J1.8 R11.2 | length 217.4
  Top Layer w10: J1.8 2660,1485 2660,1677.14 R11.2
RBI_PWM: U1.65 U3.13 | length 1494.2
  Top Layer w10: U1.65 2975.63,2884.37 3150,2710 3150,2115 3076.03,2041.03 U3.13
RBI_STA: J2.9 U5.10 | length 484.7
  Top Layer w10: J2.9 2645,4145 2645,3860 2670,3835 U5.10
RBO: J1.7 R9.2 | length 232.5
  Top Layer w10: J1.7 2750,1630.71 R9.2
RBO_PWM: U1.66 U3.11 | length 1608.2
  Top Layer w10: U1.66 3005.94,2904.06 3185,2725 3185,2105 3069.85,1989.85 U3.11
RBO_STA: J2.10 U5.9 | length 582
  Top Layer w10: J2.10 2450,4185 2565,4070 2565,3880 2660,3785 U5.9
RES: 1.5 U1.60 | length 2052.2
  Top Layer w10: U1.60 2480.26,2786.24 2833.76,2786.24 2850,2770 v1(2850,2767.5)
  Bottom Layer w10: v1(2850,2767.5) 3362.5,2255 4105,2255 4215,2365 1.5
RESET: C11.1 K1.2 R10.2 U1.14 | length 1460.4
  Top Layer w10: K1.2 1700,3985 1700,3826.36 v1(1708.18,3818.18) ; U1.14 1914.69,2825.31 v1(1915,2825)
  Bottom Layer w10: C11.1 v1(1695,4000) ; v1(1708.18,3818.18) 1860,3666.36 1860,3205 1915,3150 v1(1915,2825)
RFI: J1.14 R17.2 | length 293.1
  Top Layer w10: R17.2 2050,1484.29 J1.14
RFI_PWM: U1.25 U4.6 | length 649.1
  Top Layer w10: U4.6 1692.21,2092.21 1755,2155 1755,2513.74 U1.25 U1.25@1833.78,2608.78
RFI_STA: J2.8 U5.13 | length 350.1
  Top Layer w10: J2.8 2650,4212.5 2765,4097.5 2765,4015 2735,3985 U5.13
RFO: J1.20 R18.2 | length 993.4
  Top Layer w10: R18.2 1220,2174.71 1220,1705 J1.20
RFO_PWM: U1.31 U4.17 | length 465.3
  Top Layer w10: U4.17 1993.39,2143.39 2027.2,2177.2 U1.31
RFO_STA: J2.7 U5.12 | length 428.8
  Top Layer w10: U5.12 2770,3935 2825,3990 2825,4132.5 2750,4207.5 J2.7
RSTB1: J1.19 R21.2 | length 851.4
  Top Layer w10: R21.2 1275,2077.21 1275,1725 1525,1475 J1.19
RSTB1_PWM: U1.32 U4.15 | length 521.1
  Top Layer w10: U4.15 1987.21,2092.21 2046.89,2151.89 U1.32
RSTB1_STA: J2.19 U7.2 | length 557.7
  Top Layer w10: J2.19 1695,4095 1795,4095 1905,3985 U7.2
RSTB2: J1.18 R20.2 | length 698.9
  Top Layer w10: R20.2 1360.29,1689.71 1520,1530 1595,1530 J1.18
RSTB2_PWM: U1.35 U4.13 | length 598.9
  Top Layer w10: U4.13 1991.03,2041.03 2105.95,2155.95 U1.35
RSTB2_STA: J2.20 U7.4 | length 699.1
  Top Layer w10: J2.20 1625,4065 1755,4065 1935,3885 U7.4
RTC: J1.17 R19.2 | length 397
  Top Layer w10: R19.2 1565,1560 1660,1560 1745,1475 J1.17
RTC_PWM: U1.36 U4.11 | length 666.4
  Top Layer w10: U4.11 2004.85,1989.85 2125.63,2110.63 U1.36
RTC_STA: J2.18 U7.1 | length 442.9
  Top Layer w10: J2.18 1650,4230 1755,4125 1845,4125 1935,4035 U7.1
SWCLK: 2.3 R23.2 U1.76 | length 579.7
  Top Layer w10: 2.3@2780,3270 2.3@2800,3250
  Top Layer w12: U1.76 2421.26,3180 2511.26,3270 2.3@2780,3270
  Bottom Layer w10: R23.2@2920,3270 R23.2
  Bottom Layer w12: 2.3 R23.2@2920,3270
SWDIO: 2.2 R22.1 U1.72 | length 510.4
  Top Layer w12: U1.72 2652.17,3022.17 2.2
  Bottom Layer w10: R22.1@2915,3170 R22.1
  Bottom Layer w12: 2.2 R22.1@2915,3170
USART4_RX: *.3 U1.79 | length 1275.9
  Top Layer w10: U1.79 2342.17,3212.17 2577.5,3447.5 3102.5,3447.5 3340,3685 *.3@3370,3685
USART4_TX: *.2 U1.78 | length 1219.1
  Top Layer w10: U1.78 2361.85,3201.85 2585,3425 3185,3425 *.2
VALVES_EN: U1.43 U2.2 | length 388.6
  Top Layer w10: U2.2 2239.57,2194.57 2263.43,2218.43 U1.43
VALVES_ENABLE: J1.13 R2.2 | length 278
  Top Layer w10: R2.2 1985.71,1639.29 J1.13
VCC_3V3: 1.2 2.1 C1.1 C3.2 C6.2 C13.1 C18.1 C20.1 L1.1 R10.1 R22.2 R37.2 R38.2 R39.2 R40.2 R41.2 R42.2 U1.11 U1.50 U1.75 U1.100 U8.2 | length 9496.7
  Top Layer w10: C6.2 v1(1580,3070) 1580,3060 1635,3005 1685,3005 1805.63,2884.37 U1.11
  Top Layer w15: R39.2 1930,3498.64 ; R10.1 1930,3713.64 1930,3498.64 ; C1.1@1915,3370 1875,3330 1875,3213.02 U1.100@1928.06,3159.96 ; v4(1930,3370) 1930,3498.64 ; U1.50@2401.94,2530.04 2401.94,2529.32 C13.1@2483.13,2448.13 ; U1.75@2479.96,3081.94 2540,3141.98 v4(2540,3150)
  Top Layer w20: C13.1@2481.82,2421.82 2558.64,2345 R40.2 R41.2 R42.2
  Top Layer w25: v5(3260,3135) 3490,3135 3915,2710 1.2 v4(3915,2060)
  Top Layer w30: U8.2@4065,3580 4105,3620 U8.2@4375,3620
  Top Layer w50: v5(3270,3270) v5(3370,3270) 3435,3270 3745,3580 U8.2@4065,3580
  Bottom Layer w15: v1(1580,3070) 1580,3110 v1(1730,3260) 1740,3270 v1(1740,3485) 1745,3490 v1(1745,3680) ; 2.1@2770,3070 2.1@2790,3050 ; 2.1@2790,3070 2800,3060 2.1
  Bottom Layer w20: v1(1355,2555) 1483.18,2426.82 v1(2491.82,2426.82) ; v4(1930,3370) 2320,3370 v4(2540,3150) 2620,3070 2.1@2770,3070 ; 2.1 R22.2 3205,3070 3260,3125 v5(3260,3135)
  Bottom Layer w25: v1(2990,2350) 3280,2060 v4(3915,2060)
  Bottom Layer w50: v5(3260,3135) 3260,3264.12 C18.1
VCC_5V: *.5 C2.1 C9.2 C14.1 C15.1 C16.1 C17.1 C19.1 C24.2 GL1.1 P1.11 P1.12 R28.2 R30.2 R32.1 U2.20 U3.20 U4.20 U5.14 U6.1 U6.2 U7.14 U8.3 | length 10083
  Top Layer w13: U4.20 v1@1979.84,2220.16 ; v1@2539.84,2220.16 v1(2540,2220) ; U3.20 3025,2221.46 v1(3025,2240)
  Top Layer w15: U2.20 v1@2539.84,2220.16 ; R28.2@4140,4090 R28.2
  Top Layer w20: v1@1979.84,2220.16 v1(1980,2220) ; v1(2540,2220) 2615,2220 2680,2285 2958.86,2285 U3.20 ; C17.1 C17.1@4360.87,3969.13
  Top Layer w30: P1.12@4246.65,2762.99 P1.11 ; U8.3 4634.45,3710.55 4715,3630 v4(4715,2560)
  Top Layer w40: *.5 3960,3910 R28.2@4140,4090 ; R28.2 4225,4105 C17.1@4360.87,3969.13
  Bottom Layer w10: R30.2 2030,4035 v1(2195,4035) ; C16.1@2100,3940 v1(2195,4035) ; R32.1 2365,3865 v1(2195,4035) ; C15.1 v1@2695,4035
  Bottom Layer w13: C14.1 1835,2220 v1(1980,2220) ; C2.1 2390,2220 v1(2540,2220) ; C9.2 2930,2250 2940,2240 v1(3025,2240) ; v4(4715,2560) v4@4720,2555
  Bottom Layer w15: GL1.1@3785,2645 C24.2
  Bottom Layer w20: v1(1980,2220) 2035,2275 2485,2275 v1(2540,2220) ; C16.1 C16.1@2100,3940 ; v1(2195,4035) 2695,4035 v1(2700,4035) 2765,4035 2890,3910 *.5
  Bottom Layer w25: v1(3025,2240) 3275,1990 4205,1990 4720,2505 v4@4720,2555
  Bottom Layer w30: GL1.1 3880,2560 4245,2560 ; P1.12@4246.65,2762.99 4246.65,2561.65 4245,2560 ; v4(4715,2560) 4245,2560
  Bottom Layer w50: U6.2 U6.1
  other v2: 4510,3850 4630,3855 4510,3955 4630,3955
VCC_14V: D1.1 J2.3 J2.4 R29.2 U6.7 U6.8 | length 1482.8
  Top Layer w50: J2.4 J2.3
  Bottom Layer w15: U6.8 v1@3769.31,4104.31
  Bottom Layer w30: D1.1 3711.99,3797.68 U6.7
  Bottom Layer w50: J2.4 J2.3 3150,4175 3240,4085 3639.31,4085 U6.8 U6.7
  other v1: 3770,4105
pads on no net: *.1 *.6 GL1.8 J1.1 J1.2 J2.5 J2.6 P1.3 P1.4 P1.9 P1.10 P1.13 P1.14 U1.4 U1.5 U1.6 U1.7 U1.15 U1.16 U1.17 U1.18 U1.26 U1.29 U1.30 U1.33 U1.34 U1.38 U1.39 U1.40 U1.41 U1.42 U1.46 U1.47 U1.48 U1.52 U1.54 U1.55 U1.57 U1.67 U1.68 U1.69 U1.73 U1.77 U1.80 U1.82 U1.83 U1.85 U1.87 U1.88 U1.90 U1.91 U1.97 U1.98 U2.3 U2.5 U2.7 U2.9 U2.12 U4.8 U4.12 U5.3 U5.11 U7.3 U7.11

## Polygon pours and split planes (outlines as drawn)
GND_D on Top Layer "Top Layer-No Net" (solid, remove dead copper, pour order 43): 1279.67,1379.7 cw(c1279.67,1654.65) 1005.45,1634.71 1005,1635 1005,4055 cw(c1280,4055) 1280,4330 4502.57,4330 cw(c4502.57,4052.59) 4779.98,4052.59 4780,4052.59 4780,1645.02 4780.02,1645.02 cw(c4515,1645.02) 4515,1380
GND_D on Bottom Layer "Top Layer-No Net1" (solid, remove dead copper, pour order 44): 1279.67,1379.7 cw(c1279.67,1654.65) 1005.45,1634.71 1005,1635 1005,4055 cw(c1280,4055) 1280,4330 4502.57,4330 cw(c4502.57,4052.59) 4779.98,4052.59 4780,4052.59 4780,1645.02 4780.02,1645.02 cw(c4515,1645.02) 4515,1380

## Keep-outs
Keep-Out Layer:
  the board outline again, w10

## Other copper
Top Layer:
  rectangle net VCC_5V: 4470,3805 4680,4005
  rectangle net SWCLK: 2405,3170 2415,3185
  rectangle net SWCLK: 2415,3180 2421.26,3185
  rectangle net VCC_5V: 4325,3685 4430,4005
  rectangle net VCC_5V: 4325,3905 4680,4005
  rectangle net GND_D: 4330,3390 4655,3555
  rectangle net GND_D: 4475,3495 4655,3580
  rectangle net VCC_5V: 2990,2215 3060,2265
  pour cut-out: 1731.82,3332.53 1732.53,3332.53 1750,3350 1770,3330 1770,3285
  pour cut-out: 1585.27,3290.59 1609.41,3290.59 1630,3270 1600,3270
  pour cut-out: 1924.3,3320 1918.29,3320 1918.6,3319.69 1918.6,3315 1925,3315
  pour cut-out: 1925,3315 1920,3320 1916.58,3320 1916.58,3317.02 1918.6,3315 1923.6,3320 1925,3320
  pour cut-out: 1970,3490 1962.78,3490 1962.78,3512.22 1960,3515 1970,3515
  pour cut-out: 2185.71,3533.12 2201.43,3533.12 2190.33,3522.03 2190.33,3521.7 2187.63,3521.7 2185.71,3523.61
  pour cut-out: 2085.71,3490 2070,3490 2070,3509.74 2085.71,3509.74
  pour cut-out: 2085.71,3590 2070,3590 2070,3570.26 2085.71,3570.26
  pour cut-out: 2548.57,3590 2532.86,3590 2532.86,3570.26 2548.57,3570.26
  pour cut-out: 2780,3590 2764.29,3590 2764.29,3570.26 2780,3570.26
  pour cut-out: 2880,3490 2880,3465 2875,3470 2680,3470 2680,3496.49 2713.51,3530 2805.24,3530
  pour cut-out: 2548.57,3590 2532.86,3590 2532.86,3570.26 2548.57,3570.26
  pour cut-out: 2750.59,3704.28 2750.59,3675.59 2750,3675 2710,3675 2710,3700 2720,3710
  pour cut-out: 2664.29,3680 2665,3680.71 2665,3705 2680,3705 2680,3675
  pour cut-out: 2648.57,3590 2675,3590 2682.33,3582.67 2682.33,3515.12 2655.12,3515.12 2640,3500
  pour cut-out: 2880,3505 2880,3465 2660,3465 2660,3477.19 2722.81,3540 2780,3540
  pour cut-out: 2135,3804.74 2040.26,3804.74 2035,3810 2045,3820 2045,3895
  pour cut-out: 2557.68,3750.16 2649.41,3750.16 2649.41,3775.59 2575,3850 2550,3850
  pour cut-out: 1620,1960 1695,1960 1695,1985 1700,1990
  pour cut-out: 2601.12,2256.05 2601.12,2308.88 2600,2310 2665,2310 2675,2300
  pour cut-out: 2320,2480 2320,2365 2321.26,2366.26 2381.76,2366.26 2381.76,2418.24 2360,2440 2360,2485
  pour cut-out: 2655,3120 2720,3120 2720,3105 2645,3030 2630,3045 2565,3045
  pour cut-out: 2560,3370 2560,3290 2465,3290
  pour cut-out: 2230,3500 2225,3495 2225,3335 2250,3335 2405,3490 2340,3490 2305,3525
  pour cut-out: 2215,4015 2245,3985 2245,3600 2355,3490 2405,3490 2470,3555 2470,3810 2440,3810 2225,4025
  pour cut-out: 1742.42,4037.42 1700,3995 1700,3705 1900,3505 2015,3505 2015,3605 2045,3635 2045,3856.85
  pour cut-out: 2340,2160 2365.79,2160 2458.11,2252.33 2455.44,2255 2315,2255 2315,2160 2320,2155
  pour cut-out: 2135,2400 2150,2385 2265,2385 2265,2245 2240,2220 2220,2240 2110,2240
  pour cut-out: 1855,2030 1855,1960 1860,1965 2115,1965 2115,1941.35 2112.88,1939.23 2122.11,1930 2210,1930 2210,2078.51 2196.3,2092.21
  pour cut-out: 1880,1825 1950,1825 1950,1610 1865,1610
  pour cut-out: 1480,1825 1540,1825 1535,1820 1535,1615 1480,1615 1465,1630
  pour cut-out: 1255,1640 930,1640 930,1470 995,1405
  pour cut-out: 1205,1700 990,1700 990,1520 1025,1485 1075,1535 1315,1535
  pour cut-out: 3215,2120 3215,1875 3180,1910 2985,1910
  pour cut-out: 3400,1647.75 3400,1490 3385,1475 3150,1475 3150,1605 3170,1625
  pour cut-out: 2855.26,4118.36 2855.26,4184.74 2855,4185
  pour cut-out: 2855.26,4132.5 2855,4132.76 2855,4195 2805,4195 2800,4200
  pour cut-out: 2838.15,4180.44 2847.71,4190 3320,4190 3320,4195 3290,4225 3285,4220 2885,4220
  pour cut-out: 3395,4310 3395,4276.16 3395.43,4275.72 3389.09,4269.38 3308.44,4269.38 3308.44,4291.56 3290,4310
  pour cut-out: 4595,3750 4800,3750 4800,3655 4775,3630
  pour cut-out: 4465.25,3603.55 4458.8,3610 4425,3610 4425,3595 4455,3565
  pour cut-out: 4665,3630 4665,3590 4685,3590 4695,3600
  pour cut-out: 4720,2530 4750,2500 4775,2500 4775,2560
  pour cut-out: 3840,2460 3841.35,2461.35 3876.37,2461.35 3876.37,2426.37 3875,2425
  pour cut-out: 3850,2370 3853.35,2366.65 3876.81,2366.65 3876.81,2393.19 3865,2405
  pour cut-out: 3504.36,2596.42 3588.58,2596.42 3540,2645
  pour cut-out: 3590,3200 3930,3200 3860,3270 3650,3270 3630,3250
  pour cut-out: 4170,3235 4070,3235 4110,3195
  pour cut-out: 1400,2915 1400,2790 1680,2790 1720,2830 1720,2875 1685,2910
  pour cut-out: 1557.76,2985 1555,2987.76 1555,3035 1575,3035 1615,2995
  pour cut-out: 1620,3240 1620,3210 1635,3225
  pour cut-out: 1680,3145 1715,3145 1700,3160
  pour cut-out: 1790,2965 1715,3040 1715,3045 1740,3070 1800,3010 1810,3010
  pour cut-out: 1630,2720 1630,2690 1640,2680 1660,2700 1685,2700 1685,2705 1670,2720
  pour cut-out: 1605,2611.92 1605,2595 1635,2595 1655,2615
Bottom Layer:
  rectangle net VCC_3V3: 3235,3225 3435,3320
  pour cut-out: 3875,2510 3870,2515 3825,2515 3825,2570 3820,2575
  pour cut-out: 4025,2530 4020,2525 4020,2465 3945,2540
  pour cut-out: 3300,2475 3295,2470 3295,2405 3280,2405 3205,2480
  pour cut-out: 1890.26,3635 1890,3635.26 1890,3795 1785,3795 1780,3790
  pour cut-out: 1930,3780 2025,3780 2050,3805 2040,3815 1970,3815
  pour cut-out: 2150,3910 2150,3840 2115,3875 2115,3885
  pour cut-out: 2150.84,3948.05 2248.05,3948.05 2250,3950 2195,4005 2190,4005
  pour cut-out: 2225,3835 2193.91,3835 2175.86,3816.95 2182.8,3810 2235,3810
  pour cut-out: 2225,3735 2199.29,3735 2185.34,3748.95 2201.39,3765 2230,3765
  pour cut-out: 2395.26,3860 2395.26,4009.74 2395,4010 2250,4010
  pour cut-out: 4152.53,2774.45 4152.53,2751.53 4144.06,2760 4115,2760
  pour cut-out: 3730,2790 3745,2790 3745,2740 3740,2735 3725,2735
  pour cut-out: 3595,3305 3595.83,3304.17 3799.94,3304.17 3799.94,3200.83 3800.77,3200 3560,3200 3560,3260 3555,3265

## Silkscreen, mask and mechanical layers (free items; w line width, h text height)
Top Overlay:
  text "14V_Power" at 3585,4250 h60
  text "5V_Power" at 3955,4250 h60
  text "RESET" at 1110,3940 h60
  text "GND" at 2735,3335 h60 r90
  text "CLK" at 2735,3200 h60 r90
  text "IO" at 2735,3130 h60 r90
  text "3V3" at 2735,3010 h60 r90
  text "1" at 3070,2815 h100 r90
  text "23D_ESC_Controller" at 3480,2135 h150
  text "2023.7.6" at 3845,1935 h150
  text "Designed by QZTX" at 3650,1745 h150

## Dimensions
1279.67,1380 to 1280,4330 on Keep-Out Layer
1005,1635 to 4780,1645.02 on Keep-Out Layer

## Text inside footprints (layer, text, board x,y; h text height)
P1: Top Overlay "JAE MX34_12" at 4701.65,2732.99 h43.31 r90
U5: Top Overlay "SO14" at 2591.5,3927.24 h22.05 r270
U6: Bottom Overlay "OUT" at 4590,3745 h42 r90
U7: Top Overlay "SO14" at 2086.5,3927.24 h22.05 r270